# Altium PCB A PCB Christmas.PcbDoc (continued)
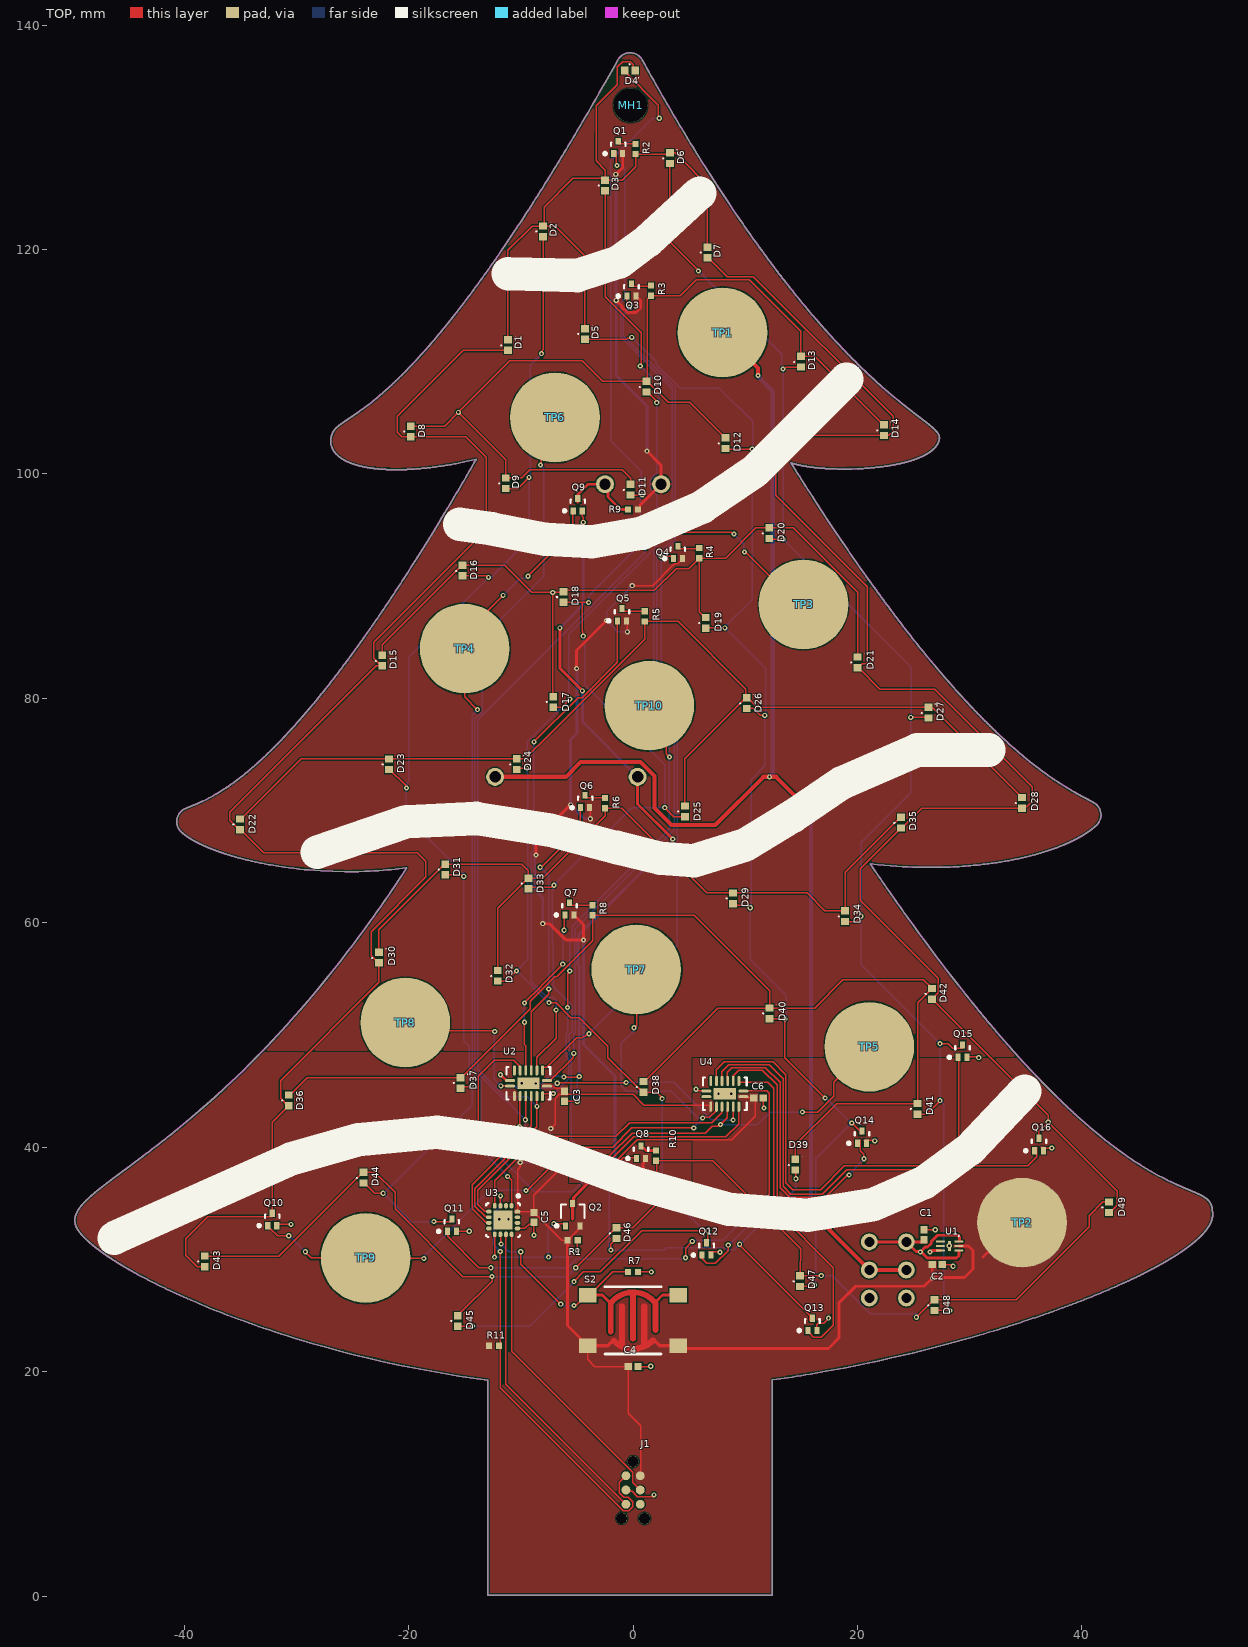
[diagram p0: TOP view]
## Nets (pads, with @x,y where several pads share a name; then routed paths per layer and width w, separated by ;. In a path a pad name is that pad's centre, name@x,y a point inside that pad or via, vN(x,y) a via of type N, cw(c..) or ccw(c..) an arc to the next point about the centre after c; other vN are vias at no path point)
+3V3: C2.2 C3.2 C4.2 C5.2 C6.2 J1.2 Q2.2 R1.2 R11.2 S2.1 S2.2 TP2.1 U1.5 U2.10 U2.16 U3.16 U4.10 U4.16 | length 132.3
  TOP w0.127: v1(-11.379,40.31) -10.572,41.117 ; U3.16 U3.16@-10.288,34.257 ; v1(-10.058,38.633) -10.058,38.236 -10.288,38.007 U3.16@-10.288,34.257 ; U2.16 -7.099,45.445 -6.895,45.241 -6.342,45.241 -6.096,44.994 C3.2 C3.2@-6.096,44.954 ; v1(-7.341,41.656) -6.934,42.062 -6.934,44.365 -6.592,44.708 -6.342,44.708 C3.2@-6.096,44.954 ; R1.2 -6.359,31.699 -8.339,33.679 -8.339,33.708 -8.45,33.82 -8.48,33.82 -8.573,33.913 -8.593,33.913 -8.839,34.159 C5.2 C5.2@-8.839,34.257 ; R1.2@-5.675,31.859 -4.896,32.638 -4.896,32.82 Q2.2 ; S2.2 -4.025,21.096 -4.039,21.082 -3.404,20.447 C4.2 -0.44,16.308 0.686,15.183 0.686,10.77 J1.2 ; U4.10@6.903,43.755 0.952,43.755 -0.001,44.708 -5.85,44.708 C3.2@-6.096,44.954 ; U4.16@9.678,44.53 9.839,44.53 9.944,44.425 11.015,44.425 10.897,44.306 10.897,42.748 8.814,40.665 0.356,40.665 -1.6,38.71 -5.867,38.71 -8.839,35.738 C5.2@-8.839,34.257 ; TP2.1@34.241,33.274 TP2.1 ; U3.16@-10.288,34.257 C5.2@-8.839,34.257
  TOP w0.254: R1.2@-5.646,31.83 -5.777,31.699 R1.2 -5.835,24.122 -4.673,22.96 -4.673,22.835 -4.15,22.312 S2.2 ; S2.1 4.264,22.073 17.424,22.073 18.364,23.012 18.364,26.137 19.837,27.61 25.933,27.61 v1(26.67,28.346) ; C2.2 26.666,29.536 26.666,28.351 v1(26.67,28.346) ; U1.5 29.893,31.198 30.302,30.788 30.302,29.134 29.54,28.372 26.695,28.372 v1(26.67,28.346) ; 31.193,30.226 TP2.1@34.241,33.274
  BOT w0.127: v1(-11.379,40.31) -10.058,38.989 v1(-10.058,38.633) -8.661,38.633 -7.366,39.929 -7.366,41.631 v1(-7.341,41.656)
+VBAT: B1.1 S1.2 TP1.1 | length 123.6
  TOP w0.381: B1.1 -5.992,73.001 -4.672,74.32 0.661,74.32 1.905,73.076 1.905,70.231 3.429,68.707 7.315,68.707 11.609,73.001 12.749,73.001 15.85,69.901 v1(15.85,69.301) ; TP1.1 11.125,109.449 v1(11.125,108.763) ; v1(15.85,34.266) 21.058,29.058 S1.2@24.358,29.058
  BOT w0.381: v1(11.125,108.763) 11.125,108.687 12.446,107.366 12.446,73.297 v1(12.15,73.001) ; v1(15.85,34.266) v1(15.85,69.301)
+X: LS1.1 Q1.2 Q2.3 Q3.2 Q4.2 Q5.2 Q6.2 Q7.2 Q8.2 R9.2 | length 124.4
  TOP w0.127: -4.092,70.49 -4.092,70.44 -4.029,70.44 -3.81,70.222 v1(-3.81,69.266) ; -0.816,87.127 -0.752,87.127 -0.681,87.056 -0.681,86.737 -0.579,86.737 -0.508,86.666 v1(-0.508,85.928) ; v1(-0.076,90.043) 1.735,90.043 3.667,91.974 3.972,91.974 4.371,92.373 Q4.2@4.371,92.453 ; Q3.2@0.225,115.828 0.323,115.73 0.424,115.73 0.66,115.494 ; 0.898,38.515 0.976,38.593 0.976,38.918 Q8.2@1.118,39.06
  TOP w0.254: v1(-8.661,66.04) -8.661,67.412 v1(-5.563,70.51) ; v1(-8.052,59.919) -7.442,59.919 -6.096,58.572 -6.09,58.572 -5.988,58.471 -5.736,58.471 v1(-4.42,58.471) -4.42,59.845 -5.091,60.516 -5.166,60.516 -5.264,60.614 Q7.2 ; -5.385,33.613 -5.385,34.35 Q2.3@-5.385,34.823 ; Q2.3 -5.32,35.046 -5.32,35.498 -3.017,37.8 v1(-1.626,37.8) 0.898,37.8 0.898,38.515 ; v1(-5.029,82.652) -5.029,84.277 v1(-2.362,86.944) ; v1(-1.549,126.695) -0.924,127.321 -0.924,128.38 -0.945,128.402 Q1.2@-0.991,128.402 ; v1(-1.499,115.468) -0.982,114.952 -0.982,114.854 -0.505,114.376 0.254,114.376 0.66,114.783 0.66,115.494 ; R9.2 0.598,96.973 0.598,97.183 LS1.1 2.5,100.776 v1(1.245,102.032)
  BOT w0.127: v1(-0.508,85.928) -1.346,85.928 v1(-2.362,86.944) -2.362,87.757 v1(-0.076,90.043)
  BOT w0.254: v1(-8.661,66.04) -8.763,65.938 -8.763,62.916 -8.052,62.205 v1(-8.052,59.919) ; v1(-5.029,82.652) -5.004,82.626 -5.004,76.875 -5.563,76.316 v1(-5.563,70.51) -4.357,69.305 -3.849,69.305 v1(-3.81,69.266) ; v1(-4.42,58.471) -4.42,49.149 -1.626,46.355 v1(-1.626,37.8) ; v1(-1.549,126.695) -1.524,126.67 -1.524,115.494 v1(-1.499,115.468) -1.499,108.778 1.245,106.034 v1(1.245,102.032)
CLOCK: TP7.1 U2.11 U3.4 U4.11 | length 49.4
  TOP w0.127: U3.4 -12.327,36.999 v1(-9.322,40.005) -1.829,40.005 -0.102,41.732 5.359,41.732 5.385,41.707 v1(5.41,41.707) ; v1(-10.109,41.834) -10.091,41.852 -10.091,44.526 U2.11 ; v1(0.076,50.648) 0.315,50.887 0.315,55.793 TP7.1 ; v1(6.198,42.596) 6.261,42.659 6.794,42.659 7.403,43.268 U4.11@7.403,43.755
  BOT w0.127: v1(-10.109,41.834) -10.109,40.792 v1(-9.322,40.005) ; v1(0.076,50.648) 0.051,50.622 0.051,50.343 -1.041,49.251 -1.041,45.464 -0.559,44.982 3.405,44.982 5.779,42.608 6.185,42.608 v1(6.198,42.596) 6.198,42.545 5.41,41.758 v1(5.41,41.707)
DAISY1: TP8.1 U2.9 U4.14 | length 38
  TOP w0.127: TP8.1 -19.57,50.381 -12.395,50.381 v1(-12.332,50.317) ; v1(-11.786,45.466) -11.775,45.455 -10.983,45.455 U2.9 ; v1(-6.756,45.695) -6.718,45.733 -0.648,45.733 v1(-0.618,45.762) ; U4.14@8.903,43.755 8.922,43.737 8.922,42.425 v1(8.915,42.418)
  BOT w0.127: v1(-12.332,50.317) -12.37,50.279 -12.37,46.05 v1(-11.786,45.466) -10.53,45.466 -10.314,45.25 -7.201,45.25 v1(-6.756,45.695) ; v1(-0.618,45.762) -0.61,45.771 3.615,45.771 6.955,42.431 7.971,42.431 7.984,42.418 v1(8.915,42.418)
DATA: TP3.1 U2.14 U3.6 | length 90.8
  TOP w0.127: U3.6 -12.894,33.799 -13.148,33.799 -14.097,34.747 -14.097,36.288 -8.572,41.813 v1(-8.572,43.637) U2.14 ; v1(1.092,93.472) 2.413,94.793 8.75,94.793 8.902,94.64 v1(8.992,94.64) ; v1(9.931,93.04) 10.021,93.04 14.694,88.367 TP3.1
  BOT w0.127: v1(-8.572,43.637) -9.431,44.496 -11.409,44.496 -13.843,46.931 -13.843,78.071 1.092,93.006 v1(1.092,93.472) ; v1(8.992,94.64) 9.855,93.777 9.855,93.193 9.931,93.116 v1(9.931,93.04)
EN_MATRIX_n: Q2.1 R1.1 U3.9 | length 14.8
  TOP w0.127: v1(-12.344,30.201) -12.327,30.218 U3.9 ; v1(-7.061,33.172) Q2.1@-6.035,33.172 ; v1(-4.978,30.836) -4.978,31.656 R1.1
  BOT w0.127: v1(-12.344,30.201) v1(-7.544,30.201) ; v1(-7.061,33.172) -7.544,32.69 v1(-7.544,30.201) ; v1(-4.978,30.836) -4.978,30.759 -5.537,30.201 v1(-7.544,30.201)
GND: B1.2 C1.1 C2.1 C3.1 C4.1 C5.1 C6.1 J1.3 Q9.2 Q10.2 Q11.2 Q12.2 Q13.2 Q14.2 Q15.2 Q16.2 R7.1 U1.3 U1.7 U2.8 U2.17 U3.13 U3.17 U4.8 U4.17 | length 92.5
  TOP w0.127: Q10.2@-31.699,33.122 v1(-30.48,33.122) ; Q11.2@-15.621,32.512 v1(-14.605,32.512) ; v1(-11.938,33.579) v1(-11.1,33.579) ; U3.13 -9.661,32.757 -9.265,33.153 -8.986,33.153 C5.1 v1(-8.839,32.156) ; v1(-9.931,45.695) U2.17 -8.712,45.695 v1(-8.687,45.669) ; v1(-6.172,46.253) -4.851,46.253 v1(-4.801,46.304) ; C3.1 -5.105,44.094 -5.095,44.084 -4.989,44.084 v1(-4.978,44.094) ; Q9.2 -4.53,96.203 -4.445,96.118 v1(-4.445,95.682) ; J1.3 -0.509,9.322 -0.065,9.322 0.393,8.865 1.753,8.865 1.829,8.941 1.829,8.992 v1(1.854,9.017) ; C4.1 1.549,20.447 v1(1.575,20.472) ; R7.1 v1(1.626,28.88) ; v1(5.613,45.161) 5.639,45.161 5.77,45.03 U4.8@6.628,45.03 ; 6.728,30.687 6.756,30.66 7.72,30.66 v1(7.747,30.632) ; v1(7.62,44.755) U4.17 v1(8.738,44.755) ; C6.1 11.582,44.366 11.582,43.559 11.657,43.485 v1(11.659,43.485) ; Q13.2 16.377,24.185 16.522,24.331 16.99,24.331 v1(17.424,24.765) ; 20.571,40.648 20.613,40.606 21.497,40.606 v1(21.539,40.564) ; C1.1 v1(26.924,32.639) ; C2.1 28.397,29.54 28.524,29.413 v1(28.524,29.388) ; U1.7@28.143,31.217 v1(28.181,31.217) ; Q15.2 29.794,48.045 30.402,48.045 30.404,48.044 30.747,48.044 v1(30.81,47.981) ; 36.345,39.984 36.597,39.984 36.678,39.903 37.287,39.903 v1(37.313,39.929)
  TOP w0.254: v1(-11.811,46.457) -11.805,46.457 -11.293,45.945 U2.8 ; v1(-6.528,86.284) -6.528,82.677 v1(-4.521,80.67) ; B1.2@0.4,73.302 B1.2 0.4,70.593 v1(3.531,67.462) ; v1(26.467,30.658) 26.522,30.658 26.662,30.798 U1.3
  BOT w0.127: v1(-8.687,45.669) -8.121,45.669 -7.486,46.304 -6.223,46.304 v1(-6.172,46.253) ; v1(-4.978,44.094) -4.978,46.037 -4.801,46.215 v1(-4.801,46.304)
  BOT w0.254: v1(-6.528,86.284) -4.445,88.367 v1(-4.445,95.682) ; v1(-4.801,46.304) -4.801,56.136 -4.902,56.238 -4.902,58.671 -4.849,58.724 -4.849,58.931 3.454,67.234 3.454,67.386 v1(3.531,67.462) ; v1(-4.521,80.67) -4.521,77.922 B1.2
LATCH: TP6.1 U2.12 U3.5 U4.12 | length 99.6
  TOP w0.127: U3.5 -12.886,34.29 -13.233,34.29 -13.842,34.899 -13.842,36.145 -9.017,40.97 v1@-8.92,40.97 ; v1(-9.601,42.443) -9.586,42.458 -9.586,44.53 U2.12 ; v1(-8.92,40.873) v1@-8.92,40.97 ; v1(-8.255,100.787) -8.192,100.85 -8.192,103.797 TP6.1 ; U4.12@7.903,43.755 7.905,43.753 7.905,43.169 7.903,43.167 7.903,43.082 6.998,42.177 -0.318,42.177 -1.524,40.97 v1@-8.92,40.97
  BOT w0.127: v1(-8.92,40.873) -8.92,40.898 -9.601,41.58 v1(-9.601,42.443) -11.278,44.12 -11.391,44.12 -13.665,46.394 -14.097,46.825 -14.097,78.176 -13.665,78.608 -13.451,78.822 -13.451,85.406 -7.976,90.881 -7.976,100.508 v1(-8.255,100.787)
MCLR: J1.1 R11.1 U3.3 | length 38.7
  TOP w0.127: v1(-11.836,30.709) -11.836,18.554 -0.877,7.595 -0.393,7.595 -0.051,7.937 -0.051,8.421 -0.444,8.814 -0.826,8.814 -1.219,9.207 -1.219,10.135 J1.1 ; U3.3 -11.827,35.594 -11.811,35.611 v1(-11.811,35.662)
  BOT w0.127: v1(-11.836,30.709) -12.433,31.305 -12.433,34.159 -11.811,34.781 v1(-11.811,35.662)
N1: Q10.1 TP9.1 U4.15 | length 50.2
  TOP w0.127: Q10.1@-32.705,33.136 -32.705,33.056 -32.395,32.746 -32.314,32.746 -31.674,32.106 v1(-30.683,32.106) ; v1(-29.21,30.683) -29.21,30.632 -28.702,30.124 TP9.1 -23.8,30.099 -18.669,30.099 v1(-18.644,30.074) ; v1(-9.55,36.144) -9.55,36.146 -9.476,36.22 -9.373,36.22 -6.629,38.964 -1.905,38.964 0.051,40.919 8.28,40.919 9.403,42.042 U4.15@9.403,43.755
  BOT w0.127: v1(-30.683,32.106) -30.658,32.106 -29.235,30.683 v1(-29.21,30.683) ; v1(-18.644,30.074) -18.58,30.137 -18.58,30.34 -12.776,36.144 v1(-9.55,36.144)
N2: Q11.1 U4.1 | length 45
  TOP w0.127: Q11.1@-16.586,32.49 -16.539,32.443 -16.539,32.058 -13.755,29.275 -12.689,29.275 v1(-12.675,29.261) ; v1(4.674,30.15) 4.674,31.013 v1(5.27,31.61) ; U4.1@9.678,45.03 11.894,45.03 12.137,44.788 12.137,35.809 11.557,35.23 v1(11.532,35.23)
  BOT w0.127: v1(-12.675,29.261) -5.808,29.261 -5.021,30.048 4.496,30.048 4.597,30.15 v1(4.674,30.15) ; v1(5.27,31.61) 5.359,31.699 8.001,31.699 v1(11.532,35.23)
N3: Q12.1 U4.2 | length 23.2
  TOP w0.127: Q12.1@5.969,30.578 5.969,30.226 6.561,29.634 7.342,29.634 8.484,30.776 v1(8.484,31.267) ; U4.2@9.403,45.805 11.98,45.805 12.548,45.237 12.548,35.255 11.989,34.696 v1(11.938,34.696)
  BOT w0.127: v1(8.484,31.267) 8.509,31.267 v1(11.938,34.696)
N4: Q13.1 U4.3 | length 31.9
  TOP w0.127: U4.3@8.903,45.805 8.903,46.343 9.398,46.838 11.532,46.838 12.827,45.542 12.827,34.29 17.843,29.273 17.843,24.117 16.789,23.063 16.074,23.063 15.738,23.399 15.418,23.719 Q13.1@15.418,23.828
N5: Q14.1 U4.4 | length 26.8
  TOP w0.127: U4.4@8.403,45.805 8.403,46.687 8.808,47.092 11.786,47.092 13.106,45.771 13.106,36.395 13.966,35.535 17.12,35.535 19.124,37.539 19.23,37.539 v1(19.253,37.516) ; 20.221,40.648 20.256,40.614 20.256,39.688 20.574,39.37 v1(20.574,38.964)
  BOT w0.127: v1(19.253,37.516) 19.253,37.579 20.574,38.9 v1(20.574,38.964)
N6: Q15.1 U4.5 | length 45.1
  TOP w0.127: U4.5@7.903,45.805 7.903,46.74 8.509,47.346 12.116,47.346 13.36,46.101 13.36,36.5 14.072,35.789 16.84,35.789 19.05,37.998 29.034,37.998 29.108,37.924 v1(29.108,37.871) ; Q15.1@29.007,48.159 29.007,40.284 v1(30.226,39.065)
  BOT w0.127: v1(29.108,37.871) 30.226,38.989 v1(30.226,39.065)
N7: Q16.1 U4.6 | length 42.4
  TOP w0.127: U4.6@7.403,45.805 7.403,46.9 8.103,47.6 12.471,47.6 13.614,46.457 13.614,36.83 14.224,36.22 16.713,36.22 18.821,38.329 35.179,38.329 35.995,39.144 35.995,39.984
NetC1_2: C1.2 S1.1 U1.4 U1.6 | length 15.3
  TOP w0.254: S1.1@21.058,31.558 S1.1@24.358,31.558 ; 25.819,30.521 26.216,30.124 28.833,30.124 29.032,30.324 U1.4 ; C1.2@26.152,31.559 24.359,31.559 S1.1@24.358,31.558 ; U1.6 29.056,31.598 29.083,31.625 29.083,32.008 28.934,32.156 27.14,32.156 26.572,31.588 26.572,31.423 26.238,31.09 26.035,31.09 v1(25.603,30.658) 25.564,30.697 25.219,30.697 S1.1@24.358,31.558
NetD1_1: D1.1 D2.1 D3.1 D4.1 D5.1 D6.1 D7.1 R2.2 | length 62.7
  TOP w0.127: D1.1 -11.151,119.939 -8.999,122.09 D2.1 ; D5.1 -4.293,119.456 -6.927,122.09 D2.1 ; D4.1 0.034,136.102 0.034,136.466 -0.252,136.752 -0.942,136.752 -1.397,136.296 -1.397,134.696 -3.277,132.817 -3.277,130.378 -3.302,130.353 -3.302,127.889 -2.489,127.076 D3.1 ; D7.1 6.629,125.73 4.276,128.084 3.742,128.618 D6.1 3.164,128.506 R2.2 0.229,127.381 -0.973,126.18 D3.1 ; D2.1 -7.933,122.184 -7.933,123.782 -5.374,126.341 -2.651,126.341 D3.1
NetD1_2: D1.2 D8.2 D15.2 D22.2 D30.2 D36.2 D43.2 Q10.3 | length 135
  TOP w0.127: D43.2 -38.844,29.345 -39.878,30.378 -39.878,31.852 -37.922,33.807 -32.156,33.807 -32.156,42.222 -30.92,43.459 -30.92,43.534 D36.2@-30.758,43.696 ; D36.2 D36.2@-30.758,43.696 ; D15.2 D15.2@-22.427,82.895 ; D1.2 -15.123,111.013 -21.006,105.131 -21.006,103.708 -20.607,103.309 D8.2 -14.917,103.309 -13.081,101.473 -13.081,95.021 -23.114,84.988 -23.114,83.582 D15.2@-22.427,82.895 ; D36.2@-30.758,43.696 -31.42,44.357 -31.42,45.939 -22.657,54.702 D30.2 -22.732,56.429 -23.343,57.039 -23.343,59.207 -18.466,64.084 -18.466,65.481 -19.228,66.243 -32.904,66.243 -34.952,68.29 D22.2 -35.102,68.29 -35.939,69.128 -35.939,69.852 -22.896,82.895 D15.2@-22.427,82.895
NetD2_2: D2.2 D9.2 D16.2 D23.2 D31.2 D37.2 D44.2 Q11.3 | length 115.7
  TOP w0.127: D44.2 -23.953,36.812 -23.031,35.89 v1(-22.276,35.89) ; D23.2 -21.667,73.65 -20.256,72.239 -20.256,72.072 v1(-20.193,72.009) ; v1(-17.755,33.376) -17.716,33.337 -16.192,33.337 Q11.3@-16.154,33.299 ; D31.2 -15.319,64.277 -15.177,64.135 v1(-15.088,64.135) ; D37.2 -15.231,45.407 -14.627,45.407 -14.415,45.618 v1(-14.326,45.618) ; D16.2 -13.102,90.914 -12.967,90.78 v1(-12.878,90.78) ; D9.2 -10.272,98.694 v1(-9.271,99.695) ; v1(-8.153,110.719) -8.09,110.782 -8.09,111.01 -8.026,111.074 D2.2
  BOT w0.127: v1(-17.755,33.376) -19.761,33.376 v1(-22.276,35.89) -22.225,35.89 -14.326,43.79 -14.326,45.652 -14.605,45.932 -14.605,48.997 -15.088,49.479 v1(-15.088,64.135) -15.062,64.16 -15.062,64.313 -20.193,69.444 v1(-20.193,72.009) -20.155,72.047 -20.155,72.428 -19.99,72.593 -19.99,83.668 v1(-12.878,90.78) -12.816,90.718 -12.711,90.718 -9.271,94.158 v1(-9.271,99.695) -9.169,99.797 -9.169,109.703 v1(-8.153,110.719)
NetD3_2: D3.2 D10.2 D17.2 D24.2 D32.2 D38.2 D45.2 Q12.3 | length 142.9
  TOP w0.127: D45.2 -14.318,24.036 v1(-14.3,24.054) ; D32.2 -11.288,54.803 v1(-10.389,55.702) ; D24.2 -10.269,73.762 v1(-9.449,73.762) ; v1(-7.493,52.883) -6.866,52.883 -5.537,51.554 -4.784,51.554 -2.238,49.008 -2.238,47.975 0.578,45.158 0.653,45.158 D38.2 2.144,44.897 2.438,44.602 2.438,44.565 2.591,44.412 v1(2.591,44.323) ; D17.2 -6.368,79.205 v1(-5.639,79.934) ; v1(-5.258,28.016) -5.258,28.043 -4.421,28.88 -2.921,28.88 0.762,32.563 6.502,32.563 6.553,32.512 v1@6.553,32.461 ; D3.2 -2.489,115.799 0.711,112.598 0.711,109.779 0.635,109.703 v1(0.635,109.626) ; D10.2 1.269,107.305 2.045,106.529 2.045,106.413 v1(2.108,106.35) ; Q12.3@6.553,31.187 Q12.3 6.655,31.589 6.655,32.41 6.604,32.461 v1@6.553,32.461 ; v1(6.655,32.563) v1@6.553,32.461
  BOT w0.127: v1(-14.3,24.054) -9.22,24.054 v1(-5.258,28.016) ; v1(-7.493,52.883) -7.561,52.883 -10.38,55.702 v1(-10.389,55.702) -10.389,55.728 -9.373,56.744 -9.373,73.101 -9.373,73.203 -9.423,73.254 -9.423,76.149 v1(-5.639,79.934) -5.641,79.934 -5.715,80.008 -5.715,85.715 2.108,93.539 2.108,98.096 2.108,98.101 2.108,98.107 ccw(c1.981,98.096) 2.041,98.208 cw(c2.5,99.085) 2.041,99.963 ccw(c1.981,100.075) 2.108,100.064 2.108,100.07 v1(2.108,106.35) 2.198,106.35 2.272,106.424 2.286,106.424 2.286,107.975 v1(0.635,109.626) ; v1(2.591,44.323) 2.591,36.271 6.236,32.626 6.592,32.626 v1(6.655,32.563)
NetD4_2: D4.2 D11.2 D18.2 D25.2 D33.2 D39.2 D46.2 Q13.3 | length 162.2
  TOP w0.127: D33.2 -9.16,63.187 -7.299,63.187 -7.138,63.348 v1(-7.048,63.348) ; D18.2 -6.182,88.544 -4.547,88.544 ; v1(-4.443,85.546) -4.483,85.585 -4.483,85.965 -4.547,86.028 -4.547,88.544 ; v1(-3.962,88.544) -4.547,88.544 ; v1(-1.981,30.836) -1.981,31.359 -1.71,31.63 -1.71,31.705 -1.548,31.867 D46.2 ; D4.2 -0.754,135.866 2.261,132.851 2.261,131.773 2.335,131.699 v1(2.337,131.699) ; D11.2 -0.221,98.12 v1(0.813,98.12) ; v1(2.819,70.256) 3.607,69.469 4.613,69.469 D25.2 ; v1(9.5,31.344) 9.5,31.267 15.74,25.027 15.74,24.547 ; D39.2 14.503,37.912 v1(14.503,37.186)
  BOT w0.127: v1@-7.146,63.39 -7.007,63.39 -0.14,70.256 v1(2.819,70.256) 2.819,74.085 -4.318,81.223 -4.318,85.063 -4.382,85.126 -4.382,85.484 v1(-4.443,85.546) ; v1(-7.048,63.348) -7.112,63.284 -7.112,62.942 -7.188,62.865 -7.188,58.329 -7.099,58.24 -7.099,54.301 -5.423,52.625 -5.423,50.339 -5.702,50.06 -5.702,48.188 -5.499,47.985 -5.499,40.703 -2.134,37.338 -2.134,30.937 -2.032,30.836 2.767,30.836 2.983,31.051 8.107,31.051 8.31,30.848 9.004,30.848 9.474,31.318 9.525,31.318 14.503,36.297 v1(14.503,37.186) ; v1(-3.962,88.544) -3.962,89.129 0.66,93.751 0.66,97.881 0.813,98.033 v1(0.813,98.12) 0.75,98.183 0.75,100.241 -1.968,102.959 -1.968,127.961 1.77,131.699 v1(2.337,131.699)
NetD5_2: D5.2 D12.2 D19.2 D26.2 D29.2 D40.2 D47.2 Q14.3 | length 115.4
  TOP w0.127: D5.2 -0.604,111.996 -0.49,112.109 -0.184,112.109 v1(-0.121,112.172) ; D19.2 6.502,86.284 v1(8.179,86.284) ; D12.2 8.288,102.21 v1(10.617,102.21) ; D29.2 9.077,61.543 10.148,61.543 10.35,61.341 v1(10.439,61.341) ; D26.2 10.7,79.103 11.316,78.487 v1(11.735,78.486) v1(11.735,78.486) ; D40.2 12.182,51.435 v1(13.538,51.435) 13.538,47.955 v1(17.12,44.374) ; D47.2 15.971,27.592 16.09,27.711 v1(16.18,27.711) ; v1(19.482,42.164) 20.232,41.414 20.232,41.234 20.318,41.148 Q14.3@20.396,41.148
  BOT w0.127: v1(-0.121,112.172) 2.07,109.981 2.07,109.748 4.198,107.62 7.696,107.62 10.643,104.673 10.643,102.235 v1(10.617,102.21) 10.617,88.798 8.179,86.36 v1(8.179,86.284) 11.811,82.652 11.811,78.56 11.737,78.486 v1(11.735,78.486) 11.735,73.987 10.516,72.767 10.516,61.443 10.439,61.366 v1(10.439,61.341) 10.439,56.744 13.64,53.543 13.64,51.509 13.565,51.435 v1(13.538,51.435) ; v1(16.18,27.711) 16.281,27.813 16.281,38.964 v1(19.482,42.164) 19.406,42.164 17.196,44.374 v1(17.12,44.374)
NetD6_2: D6.2 D13.2 D20.2 D27.2 D34.2 D41.2 D48.2 Q15.3 | length 128.5
  TOP w0.127: D6.2 3.277,120.675 5.817,118.135 v1(5.817,118.085) ; D20.2 12.225,94.158 v1(13.386,94.158) ; v1(13.36,109.347) 13.45,109.347 13.628,109.525 D13.2 ; D34.2 19.853,60.112 v1(20.32,60.579) ; v1(24.74,78.308) 26.264,78.308 D27.2 ; D41.2 26.152,42.941 v1(27.356,44.145) ; D48.2 v1(28.245,25.451) ; v1(27.356,49.225) 28.084,49.225 28.498,48.811 Q15.3@29.36,48.811
  BOT w0.127: v1(5.817,118.085) 13.233,110.668 13.233,109.421 13.308,109.347 v1(13.36,109.347) 13.36,94.183 v1(13.386,94.158) 24.79,82.753 24.79,78.359 v1(24.74,78.308) 24.74,71.609 20.32,67.189 v1(20.32,60.579) 20.32,56.261 v1(27.356,49.225) v1(27.356,44.145) 27.673,43.828 27.673,26.124 28.194,25.603 28.194,25.502 v1(28.245,25.451)
NetD7_2: D7.2 D14.2 D21.2 D28.2 D35.2 D42.2 D49.2 Q16.3 | length 139.8
  TOP w0.127: D7.2 6.704,119.261 8.388,117.577 10.719,117.577 23.165,105.131 23.165,103.81 22.784,103.429 D14.2 14.961,103.429 12.725,101.194 12.725,98.095 20.879,89.941 20.879,83.234 20.714,83.069 20.431,83.069 D21.2@20.09,82.728 ; D21.2 D21.2@20.09,82.728 ; Q16.3@36.17,40.484 36.17,41.402 v1(36.995,42.227) ; D49.2 42.493,34.171 43.155,34.832 43.155,36.068 v1(36.995,42.227) ; D21.2@20.09,82.728 21.995,80.823 26.873,80.823 35.56,72.136 35.56,70.815 35.081,70.336 34.802,70.336 D28.2 25.714,70.206 23.951,68.443 D35.2 23.801,68.443 23.64,68.281 23.64,68.206 20.244,64.811 20.244,62.027 27.203,55.067 27.203,53.754 26.881,53.432 26.881,53.357 26.72,53.195 D42.2 26.67,53.195 26.931,52.934 26.931,52.909 36.995,42.845 v1(36.995,42.227)
NetD8_1: D8.1 D9.1 D10.1 D11.1 D12.1 D13.1 D14.1 R3.2 | length 89
  TOP w0.127: D8.1 -16.797,104.259 v1(-15.57,105.486) ; D11.1 -0.229,99.619 -0.965,100.355 -9.203,100.355 -9.914,99.644 D9.1 -11.354,101.27 v1(-15.57,105.486) ; D12.1 8.155,103.218 7.993,103.38 7.993,103.455 5.047,106.401 3.123,106.401 D10.1@1.269,108.255 ; D14.1 22.277,104.379 16.181,110.475 D13.1 14.961,112.725 10.363,117.323 5.639,117.323 4.198,115.882 R3.2 1.269,115.551 D10.1@1.269,108.255 ; v1(-15.57,105.486) -10.973,110.084 -4.538,110.084 -2.709,108.255 D10.1 D10.1@1.269,108.255
NetD15_1: D15.1 D16.1 D17.1 D18.1 D19.1 D20.1 D21.1 R4.2 | length 72.7
  TOP w0.127: D15.1 -22.352,84.776 -15.264,91.864 D16.1 -15.171,91.846 -11.43,91.846 -9.017,89.433 v1(-7.163,89.433) ; D17.1 -7.163,80.206 v1(-7.163,89.433) ; D19.1 6.402,87.208 5.893,87.718 R4.2 ; D21.1 20.015,89.467 14.29,95.192 10.94,95.192 8.237,92.489 R4.2 ; v1(-7.163,89.433) -6.274,89.433 -6.083,89.624 1.901,89.624 3.844,91.567 4.971,91.567 5.681,92.277 R4.2
NetD22_1: D22.1 D23.1 D24.1 D25.1 D26.1 D27.1 D28.1 R5.2 | length 96.8
  TOP w0.127: D22.1 -34.952,69.24 -29.592,74.6 D23.1 -9.653,74.6 -7.388,76.865 -7.374,76.865 1.041,85.281 R5.2 4.024,86.857 10.06,80.822 10.06,80.203 10.172,80.091 11.055,79.207 D27.1 26.426,79.096 26.731,79.096 34.435,71.392 34.435,71.317 34.596,71.156 D28.1 ; D25.1 4.623,74.616 10.06,80.053 D26.1
NetD29_1: D29.1 D30.1 D31.1 D32.1 D33.1 D34.1 D35.1 R6.2 | length 73.5
  TOP w0.127: D30.1 -22.657,59.384 -16.814,65.227 -9.906,65.227 -9.322,64.643 D33.1 ; D32.1 -12.065,61.307 -9.397,63.975 D33.1 ; D35.1 23.801,69.393 18.898,64.489 D34.1 17.094,61.062 15.502,62.654 D29.1 6.561,62.654 -0.998,70.213 R6.2 -2.489,69.52 -8.034,63.975 D33.1
NetD36_1: D36.1 D37.1 D38.1 D39.1 D40.1 D41.1 D42.1 R8.2 | length 109.9
  TOP w0.127: D36.1 -30.608,44.646 -29.059,46.195 -15.317,46.195 -9.169,52.343 -9.169,53.01 -7.931,54.248 -7.931,54.268 -6.996,55.203 -6.79,55.203 -3.607,58.386 R8.2 5.454,60.662 12.167,53.95 D40.1 ; D38.1 0.989,45.847 7.543,52.4 D40.1 ; D39.1 14.453,40.208 18.136,43.891 D41.1 25.349,52.85 26.408,53.909 26.408,53.984 26.57,54.145 D42.1 25.875,54.915 18.694,54.915 16.18,52.4 D40.1
NetD43_1: D43.1 D44.1 D45.1 D46.1 D47.1 D48.1 D49.1 R10.2 | length 112.1
  TOP w0.127: D43.1 -31.571,30.295 -24.365,37.501 -24.315,37.501 -24.103,37.712 -24.103,37.762 -23.005,37.762 -21.209,35.966 -21.209,34.519 -15.164,28.473 v1(-12.573,28.473) -12.573,28.034 -15.385,25.222 -15.385,25.148 -15.546,24.986 D45.1 ; v1(-5.105,29.261) -1.548,32.817 D46.1 -0.051,32.817 2.108,34.976 2.108,38.793 7.105,38.793 14.933,30.964 14.933,29.858 14.884,29.809 D47.1 14.892,28.55 v1(16.764,28.55) ; v1(25.248,24.841) 25.248,24.85 26.798,26.401 D48.1 34.148,26.401 40.64,32.893 40.64,33.909 41.852,35.121 D49.1
  BOT w0.127: v1(-12.573,28.473) -12.548,28.448 -5.918,28.448 v1(-5.105,29.261) ; v1(16.764,28.55) 17.736,28.55 21.139,25.146 25.298,25.146 25.298,24.892 v1(25.248,24.841)
NetLS1_2: LS1.2 Q9.3 R9.1 | length 7.3
  TOP w0.254: Q9.3@-4.93,97.503 -4.93,98.168 -4.013,99.085 LS1.2 -2.242,98.828 -2.242,97.931 -1.136,96.825 R9.1@-0.483,96.825 ; R9.1 -0.302,96.762 -0.408,96.72 R9.1@-0.444,96.705
NetQ1_3: Q1.3 R2.1 | length 1.6
  TOP w0.127: Q1.3@-1.324,129.428 -0.003,129.428 R2.1@0.203,129.634
NetQ3_3: Q3.3 R3.1 | length 1.8
  TOP w0.127: Q3.3@-0.15,116.728 1.546,116.728 R3.1
NetQ4_3: Q4.3 R4.1 | length 1.9
  TOP w0.127: Q4.3@3.988,93.34 5.844,93.34 R4.1
NetQ5_3: Q5.3 R5.1 | length 2
  TOP w0.127: Q5.3@-0.991,87.777 1.021,87.777 R5.1
NetQ6_3: Q6.3 R6.1 | length 1.8
  TOP w0.127: Q6.3@-4.267,71.14 -2.517,71.14 R6.1
NetQ7_3: Q7.3 R8.1 | length 2.1
  TOP w0.127: Q7.3@-5.664,61.564 -3.609,61.564 R8.1
NetQ8_3: Q8.3 R10.1 | length 1.6
  TOP w0.254: Q8.3@0.72,40.148 0.72,40.014 0.809,39.925 0.944,39.925 1.159,39.709 2.016,39.709 R10.1
NetQ9_1: Q9.1 TP4.1 U3.1 | length 68.5
  TOP w0.127: v1(-13.87,78.996) -15.011,80.137 -15.011,85.75 v1(-11.582,89.179) ; v1(-11.176,37.389) -11.151,37.363 -11.125,37.363 -10.827,37.066 U3.1 ; v1(-9.373,90.881) -5.385,94.869 Q9.1@-5.385,96.879
  BOT w0.127: v1(-13.87,78.996) -14.351,78.515 -14.351,46.72 -13.538,45.907 -13.538,39.751 v1(-11.176,37.389) ; v1(-11.582,89.179) -10.058,90.703 -9.525,90.703 -9.373,90.856 v1(-9.373,90.881)
OE_n: TP5.1 U2.13 U3.7 U4.13 | length 52.8
  TOP w0.127: U3.7 -12.895,33.299 -13.132,33.299 -14.351,34.519 -14.351,36.652 v1(-10.541,40.462) -10.516,40.462 -9.072,41.906 U2.13 ; v1(-9.296,39.218) -2.108,39.218 -0.076,41.25 6.43,41.25 7.039,41.859 7.558,41.859 7.711,42.012 v1(7.798,42.012) ; v1@7.798,42.037 8.403,42.643 8.403,43.167 8.405,43.169 8.405,43.42 U4.13@8.429,43.444 ; v1(15.088,43.129) 16.468,43.129 17.883,44.544 17.883,45.772 TP5.1
  BOT w0.127: v1(-10.541,40.462) v1(-9.296,39.218) ; v1(7.798,42.012) 7.81,41.999 11.087,41.999 12.217,43.129 v1(15.088,43.129)
P1: Q1.1 TP10.1 U2.15 | length 99.2
  TOP w0.127: U2.15 -8.072,44.723 -8.015,44.78 v1(-7.112,44.78) v1@-7.223,44.67 ; v1(-5.842,52.451) -5.842,55.448 v1@-5.651,55.639 ; -1.499,128.778 -1.499,127.733 -1.497,127.731 -1.497,127.557 v1(-1.433,127.494) ; TP10.1 2.946,77.851 2.946,75.078 3.238,74.786 v1(3.238,74.778)
  BOT w0.127: v1(-7.112,44.78) -7.053,44.78 -5.753,46.08 -5.753,47.88 -5.956,48.083 -5.956,50.165 -5.842,50.279 v1(-5.842,52.451) ; v1(-5.639,55.702) -5.639,58.234 -5.474,58.399 -5.474,58.991 -5.42,59.045 -5.42,59.693 3.238,68.351 3.238,79.35 1.841,80.747 1.841,92.913 2.316,93.387 2.73,93.387 3.491,94.147 3.491,107.609 -1.118,112.217 -1.118,115.257 -0.762,115.612 -0.762,127.256 -1,127.494 v1(-1.433,127.494)
P2: Q3.1 U2.1 | length 78.9
  TOP w0.127: U2.1 -7.37,45.945 -5.346,47.968 -5.346,48.298 v1(-5.283,48.362) ; Q3.1@-0.559,116.057 -0.559,115.113 v1(-0.305,114.859)
  BOT w0.127: v1(-5.283,48.362) -5.283,50.12 -5.169,50.234 -5.169,56.056 -5.22,56.106 -5.22,58.802 -5.166,58.856 -5.166,59.464 3.658,68.288 3.658,79.652 2.095,81.214 2.095,92.807 2.341,93.053 2.756,93.053 3.759,94.056 3.759,107.7 -0.864,112.322 -0.864,114.198 -0.595,114.467 -0.595,114.557 -0.305,114.847 v1(-0.305,114.859)
P3: Q4.1 U2.2 | length 53.3
  TOP w0.127: U2.2 -8.072,47.049 -8.015,47.106 -7.685,47.106 -5.042,49.749 -4.53,49.749 -4.393,49.887 -4.253,49.887 -4.026,50.114 v1(-3.937,50.114) ; v1(2.515,92.634) 2.543,92.662 Q4.1@3.776,92.662
  BOT w0.127: v1(-3.937,50.114) 3.95,58.001 3.95,80.152 2.515,81.587 v1(2.515,92.634)
P4: Q5.1 U2.3 | length 45.6
  TOP w0.127: v1(-8.839,76.124) -4.906,80.057 -4.542,80.057 -1.391,83.208 Q5.1@-1.391,87.13 ; U2.3 -8.572,47.994 -6.858,49.708 v1(-6.858,52.222)
  BOT w0.127: v1(-8.839,76.124) -8.839,66.455 -9.08,66.214 -9.08,54.761 -7.697,53.378 -7.514,53.378 -7.175,53.378 -6.858,53.061 v1(-6.858,52.222)
P5: Q6.1 U2.4 | length 26.2
  TOP w0.127: U2.4 -9.072,52.081 -7.512,53.641 v1(-7.512,54.094) ; v1(-8.28,64.948) -8.204,64.948 -4.699,68.453 Q6.1@-4.699,70.503
  BOT w0.127: v1(-8.28,64.948) -7.512,64.18 v1(-7.512,54.094)
P6: Q7.1 U2.5 | length 15.5
  TOP w0.127: v1(-9.677,51.13) -9.677,49.143 -9.572,49.037 U2.5 ; v1(-9.677,52.857) -9.677,52.861 -8.185,54.353 -8.185,54.373 v1@-6.312,56.247 ; v1(-6.147,59.334) -6.147,60.822 Q7.1@-6.045,60.924
  BOT w0.127: v1(-9.677,51.13) v1(-9.677,52.857) ; v1(-6.274,56.312) -6.274,59.118 -6.147,59.245 v1(-6.147,59.334)
P7: Q8.1 U2.6 | length 27.7
  TOP w0.127: v1(-12.446,39.7) -12.522,39.7 -13.792,40.97 -13.792,46.33 -12.37,47.752 -10.654,47.752 -10.072,47.17 U2.6 ; v1(-3.504,37.997) -3.045,38.456 -1.495,38.456 -0.875,39.076 Q8.1@0.337,39.076
  BOT w0.127: v1(-12.446,39.7) -8.763,36.017 -5.385,36.017 -4.476,36.926 -4.476,37.025 v1(-3.504,37.997)
PGC: J1.5 U3.11 | length 28.5
  TOP w0.127: U3.11 -11.327,18.871 J1.5
PGD: J1.4 U3.12 | length 27.5
  TOP w0.127: U3.12 -10.827,21.8 -0.051,11.024 -0.051,10.135 J1.4
SWITCH: R7.2 S2.3 S2.4 U3.10 | length 16.2
  TOP w0.127: U3.10 -11.794,32.198 -11.794,31.403 v1(-11.76,31.369) ; v1(-10.008,30.683) -10.008,29.566 v1(-6.452,26.01) ; v1(-5.258,25.883) -5.195,25.946 -5.016,25.946 -4.15,26.812 S2.4 ; S2.4@-3.377,27.335 -1.832,28.88 R7.2
  TOP w0.254: S2.4@-3.9,26.812 S2.4@-3.377,27.335
  BOT w0.127: v1(-11.76,31.369) -11.074,30.683 v1(-10.008,30.683) ; v1(-6.452,26.01) -6.362,26.01 -6.235,25.883 v1(-5.258,25.883)
pads on no net: J1. J1.6 MH1.1 S1.3 U1.1 U1.2 U2.7 U3.2 U3.8 U3.14 U3.15 U4.7 U4.9

## Polygon pours and split planes (outlines as drawn)
+X on TOP "+X_L01_P006" (solid, pour order 6): 74.041,-9.423 -38.684,-9.423 -49.759,1.651 -49.759,154.457 19.812,154.457 25.654,148.615
+3V3 on TOP "TOP-+3V3" (solid, pour order 4): -49.759,16.408 -49.759,48.565 -34.646,48.565 -34.493,48.412 -34.455,48.45 -5.829,48.45 -5.829,36.716 -5.791,36.678 5.309,36.678 5.309,47.93 41.021,47.93 55.855,33.096 12.649,-10.109 -34.392,-10.109 -38.506,-5.994
GND on BOT "GND_L02_P005" (solid, pour order 5): 71.628,-9.83 70.206,-8.407 -49.759,-8.407 -49.759,154.661 -49.149,154.051 29.286,154.051

## Keep-outs
Keep-Out Layer:
  drawing of 4378 lines, arcs and shapes, not listed

## Silkscreen, mask and mechanical layers (free items; w line width, h text height)
Top Overlay:
  lines w3: -46.25,31.895 -30.445,38.963 -24.502,40.674 -17.48,41.329 -9.325,40.275 0.018,36.855 8.514,34.458 15.56,33.931 21.312,34.862 25.928,36.838 29.945,39.784 34.911,44.997 ; -28.134,66.292 -20.161,69.014 -13.972,69.287 -7.357,68.249 -1.454,66.704 2.426,65.75 5.433,65.526 9.897,66.9 14.245,69.52 18.587,72.452 25.338,75.392 31.674,75.392 ; -15.461,95.509 -12.578,95.102 -7.776,94.163 -3.735,93.941 0.823,94.729 6.154,97.039 10.804,100.212 19.025,108.433 ; -11.123,117.839 -4.983,117.686 -1.272,118.871 1.332,120.792 5.936,125.025